# Altium PCB GSMRelay.PcbDoc
Units mm, origin at the board's own origin, x right, y up, seen from the top; angles counter-clockwise.
Board outline 69.98 x 49.7 mm, 2 copper layers (Top Layer, Bottom Layer); 114 components, 63 nets, 318 pads, 163 vias.
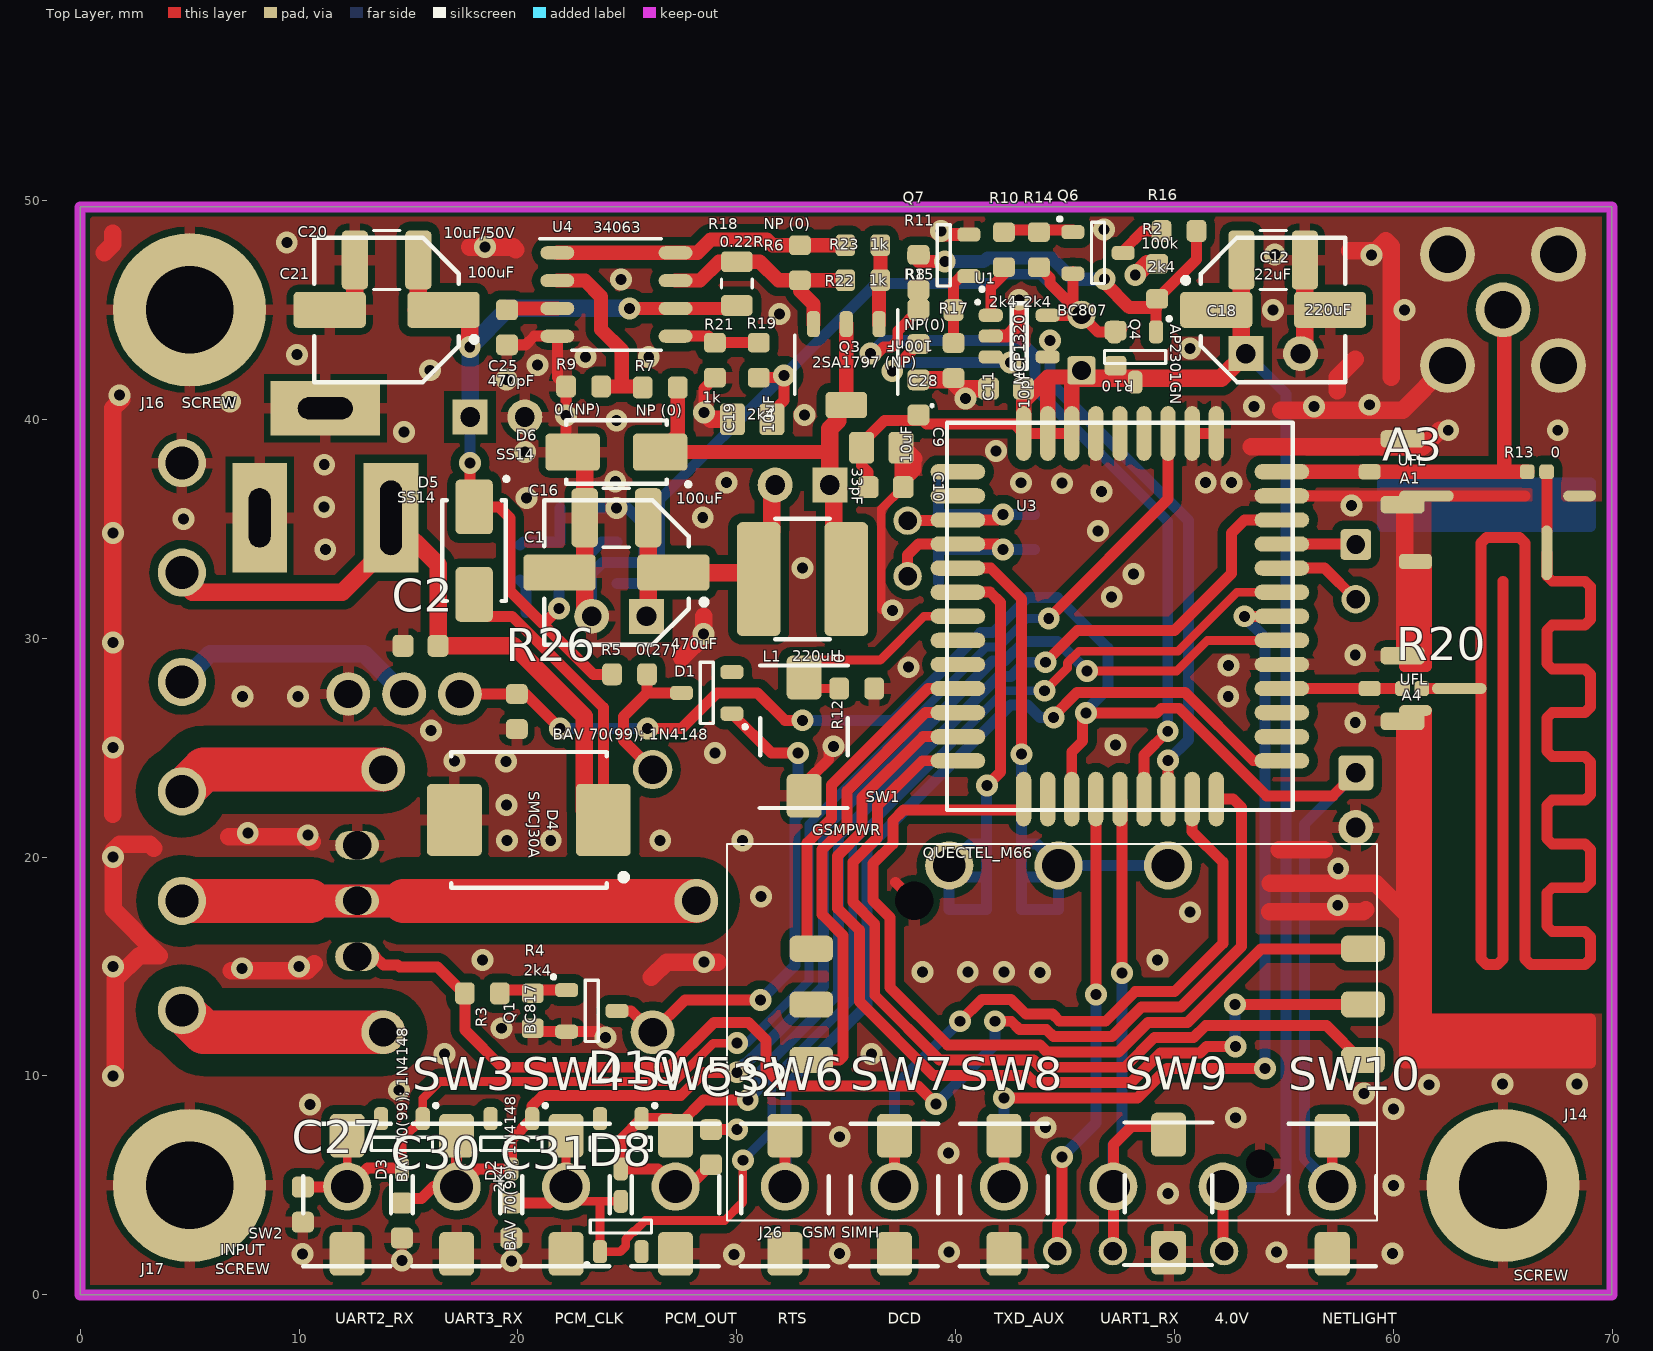
[diagram p0: Top Layer view]
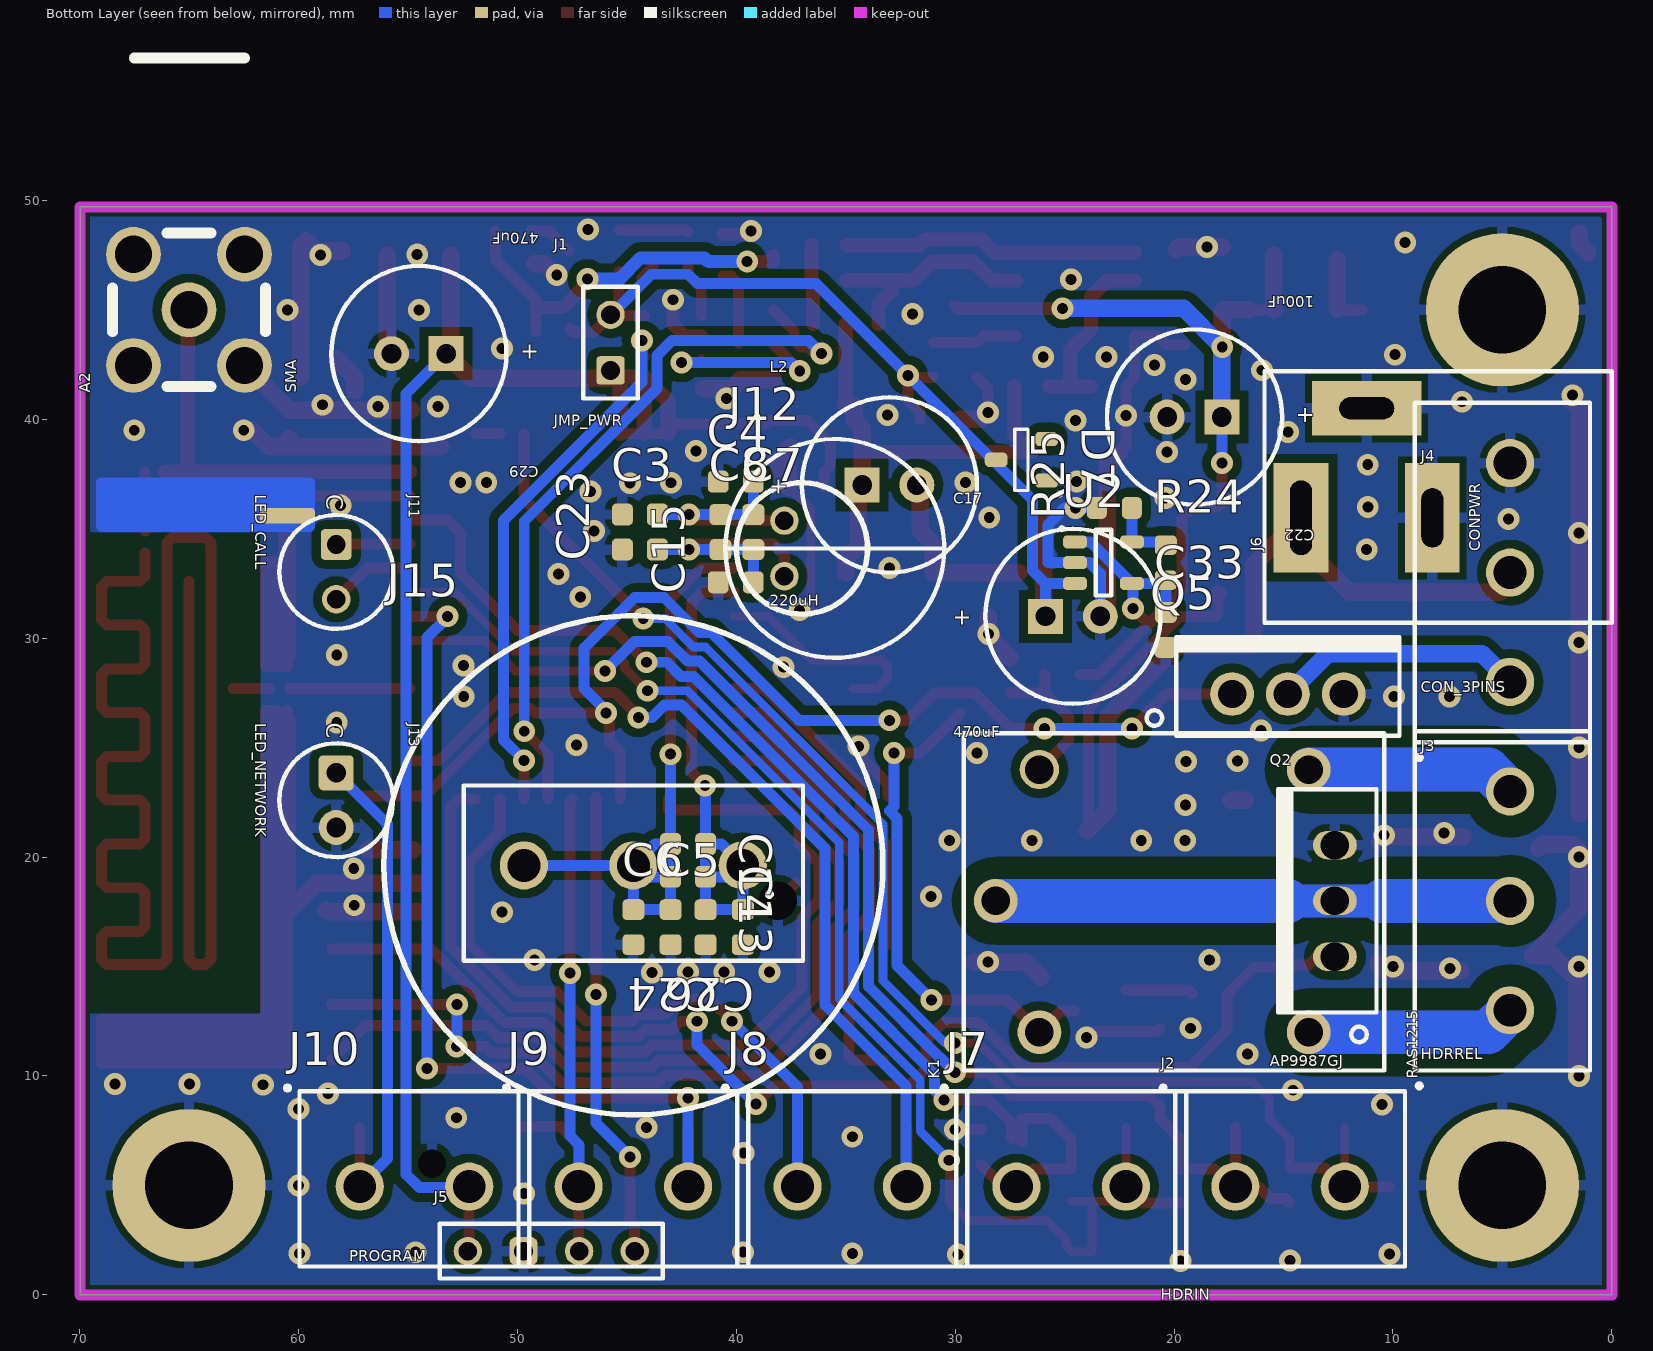
[diagram p1: Bottom Layer view, seen from below]
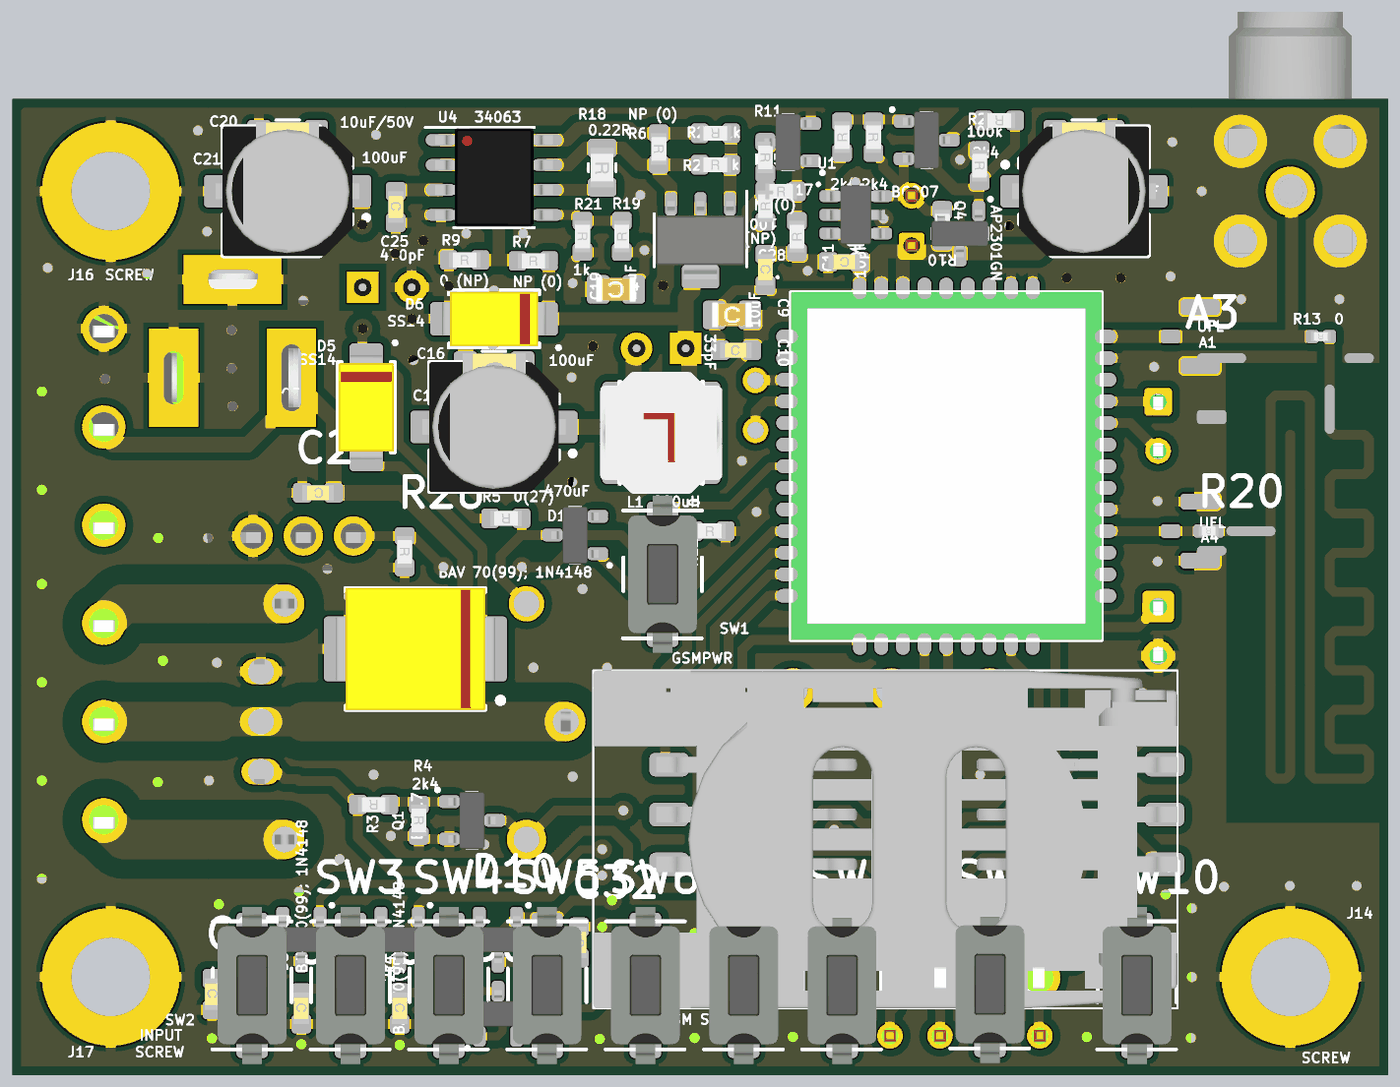
[diagram p2: 3D render of the assembled board from above, using the file's embedded part models]
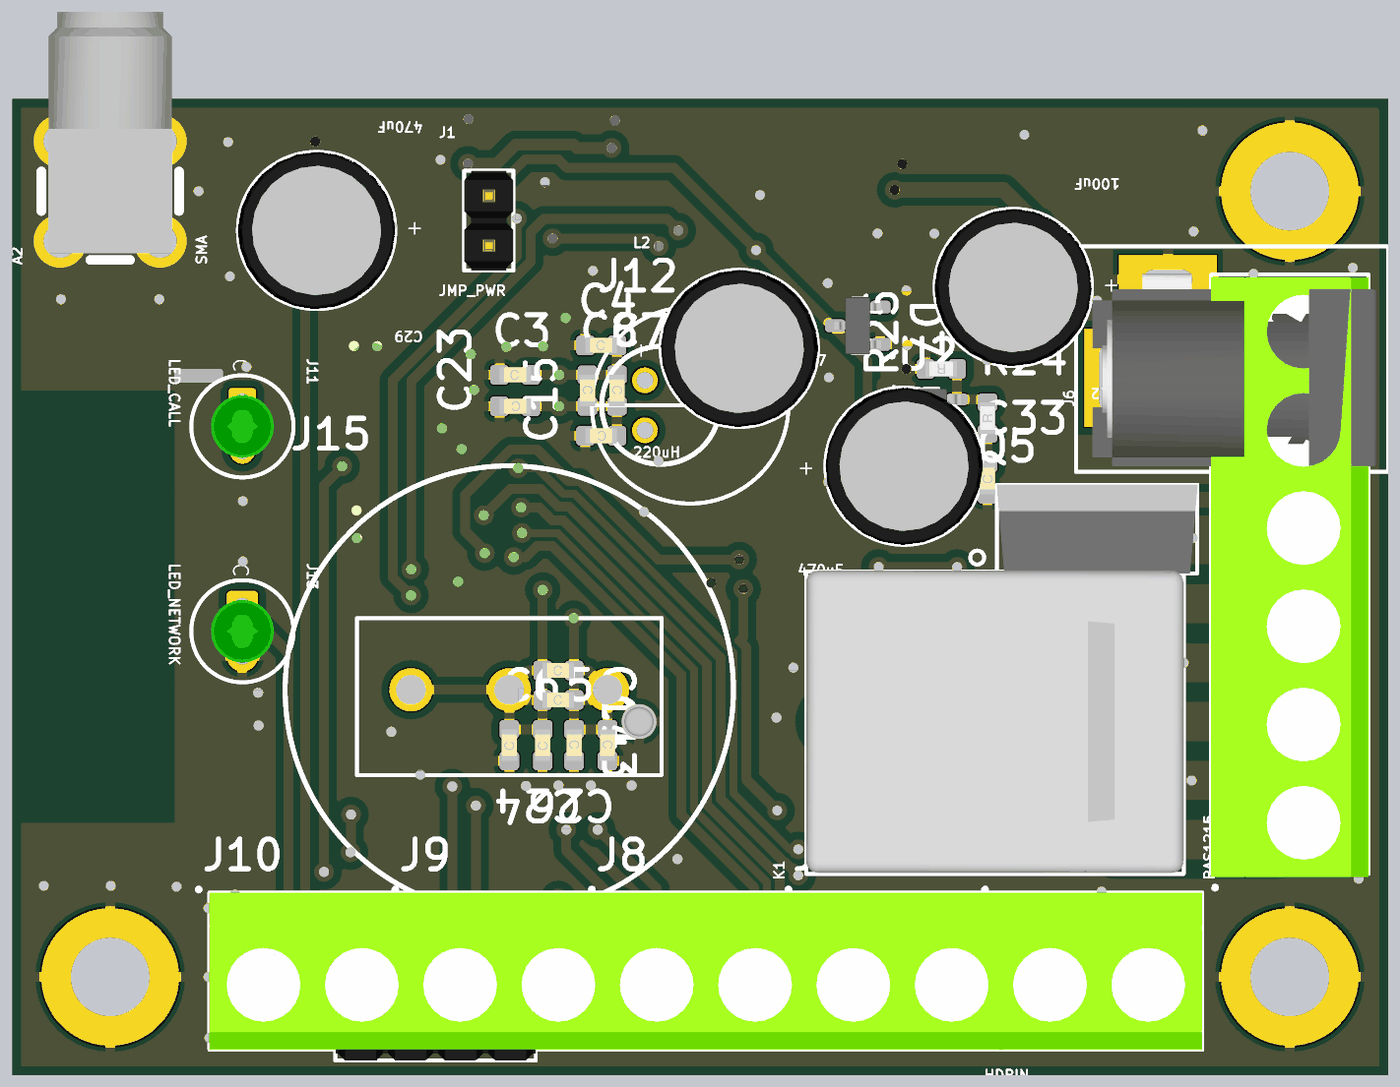
[diagram p3: 3D render of the assembled board from below, using the file's embedded part models]

## Layer stack, top to bottom
Top Solder: solder mask 0.0102, Solder Resist, Dk 3.5
Top Layer: signal copper 0.0356
Dielectric 1: dielectric 0.32, FR-4, Dk 4.8
Bottom Layer: signal copper 0.0356
Bottom Solder: solder mask 0.0102, Solder Resist, Dk 3.5

## Board outline
0,0 0,49.7 69.975,49.7 69.975,0

## Design rules (kind name [scope] priority, off if disabled: settings)
Clearance Clearance_RELAY [All vs InNet('NO') or InNet('NC') or InNet('COMMON')] p1: gap=1
Clearance Clearance_Keepout [All vs OnLayer('Keep-Out Layer')] p2: gap=0.2
Clearance Clearance_Poly [All vs InPolygon] p3: gap=0.4
Clearance [All] p4: gap=0.2
ComponentClearance [All] p1 off: gap=0.254 collisioncheckmode=3 verticalgap=0.254 showdistances=FALSE
Height [All] p1 off: minheight=0 maxheight=25.4 prefheight=12.7
HoleSize [All] p1: absolutevalues=TRUE maxlimit=5 minlimit=0.025 maxpercent=80.000 minpercent=20.000
HoleToHoleClearance [All] p1: gap=0.25 allowstackedmicrovias=TRUE
PlaneClearance [All] p1: clearance=0.35
PolygonConnect DirectConnectComponents [InComponent(A1,A2,A3)] p1: connectstyle=Direct reliefconductorwidth=0 reliefentries=4 polygonreliefangle="90 Angle" airgapwidth=0.254
PolygonConnect PolygonConnect_1 [InPadClass('Flooded')] p2: connectstyle=Direct reliefconductorwidth=0.254 reliefentries=4 polygonreliefangle="90 Angle" airgapwidth=0.254
PolygonConnect PolygonConnect_GND [All vs IsVia] p3: connectstyle=Direct reliefconductorwidth=0.254 reliefentries=4 polygonreliefangle="90 Angle" airgapwidth=0.254
PolygonConnect [All] p4: connectstyle=Relief reliefconductorwidth=0.5 reliefentries=4 polygonreliefangle="90 Angle" airgapwidth=0.3
RoomDefinition GSMRelay [InComponentClass('GSMRelay')] p1: confinementstyle=ConfineIn formatcopy=TRUE lockcomponents=FALSE outline 0,0 69.975,0 69.975,49.7 0,49.7
RoutingVias [All] p1: holewidth=0.711 width=1.27 viastyle="Through Hole" minholewidth=0.711 minwidth=1.27 maxholewidth=0.711 maxwidth=1.27
SolderMaskExpansion [All] p1: expansion=0.102
UnpouredPolygon [All] p1: allowunpoured=FALSE
Width [All] p1: maxlimit=5 minlimit=0.2 preferedwidth=0.5
24 further rules are at their usual default settings.

## Classes and differential pairs
pad class Flooded: J3-1 J11-7 J11-8

## Components (designator, comment, footprint, x,y, rotation, side; value= is the part's Value field where it differs from the comment)
A1 "UFL" SMD_CON_ANTENNA_UFL 60.41,37.6 r270 top
A2 "SMA" SMD_CON_ANTENNA_SMA_RIGHT_ANGLE 65,45 r90 bottom
A3 "PCB" SMD_CON_ANTENNA_GSM_WIFI_PCB 66,35.6 r270 top
A4 "UFL" SMD_CON_ANTENNA_UFL 60.41,27.7 r270 top
C1 "470uF" SMD_CAPAE660X550N 24.5,33 r180 top
C2 "470nF" SMD_0603_CAPC1608X95N 15.55,29.65 r180 top
C3 "33pF" SMD_0603_CAPC1608X95N 44.4,35.65 r180 bottom
C4 "10pF" SMD_0603_CAPC1608X95N 40.025,37.15 r180 bottom
C5 "33pF" SMD_0603_CAPC1608X95N 43,16.8 r90 bottom
C6 "10pF" SMD_0603_CAPC1608X95N 44.7,16.8 r90 bottom
C7 "33pF" SMD_0603_CAPC1608X95N 39.22,34.85 r270 bottom
C8 "10pF" SMD_0603_CAPC1608X95N 40.725,34.85 r270 bottom
C9 "10uF" SMD_0805_CAPC2012X95N 36.6,38.7 r0 top
C10 "33pF" SMD_0603_CAPC1608X95N 36.8,36.9 r0 top
C11 "10pF" SMD_0603_CAPC1608X95N 42.3,41.4 r180 top
C12 "22uF" SMD_1210_CAPC3225X279N 54.5,47.275 r0 top
C13 "33pF" SMD_0603_CAPC1608X95N 42.2,19.1 r180 bottom
C14 "10pF" SMD_0603_CAPC1608X95N 42.2,20.6 r180 bottom
C15 "33pF" SMD_0603_CAPC1608X95N 40.025,32.55 r0 bottom
C16 "100uF" SMD_1210_CAPC3225X279N 24.5,35.5 r0 top
C17 "470uF" PTH_CAPPR250-800X800 24.621,31 r180 bottom
C18 "220uF" SMD_CAPAE660X550N 54.5,45 r0 top
C19 "10uF" SMD_0805_CAPC2012X95N 30.7,40 r180 top
C20 "10uF/50V" SMD_1210_CAPC3225X279N 14,47.275 r0 top
C21 "100uF" SMD_CAPAE660X550N 14,45 r180 top
C22 "100uF" PTH_CAPPR250-800X800 19.065,40.1 r0 bottom
C23 "10pF" SMD_0603_CAPC1608X95N 44.4,34.05 r0 bottom
C24 "33pF" SMD_0603_CAPC1608X95N 41.4,16.8 r270 bottom
C25 "470pF" SMD_0603_CAPC1608X95N 19.5,44.2 r270 top
C26 "10pF" SMD_0603_CAPC1608X95N 39.7,16.8 r270 bottom
C27 "33pF" SMD_0603_CAPC1608X95N 10.175,4.125 r270 top
C28 "100nF" SMD_0603_CAPC1608X95N 38.3,41 r270 top
C29 "470uF" PTH_CAPPR250-800X800 54.5,43 r0 bottom
C30 "33pF" SMD_0603_CAPC1608X95N 14.7,3.4 r270 top
C31 "33pF" SMD_0603_CAPC1608X95N 19.7,3.4 r270 top
C32 "33pF" SMD_0603_CAPC1608X95N 28.82,6.75 r90 top
C33 "1uF" SMD_0603_CAPC1608X95N 20.375,30.375 r90 bottom
D1 "BAV 70(99); 1N4148" SMD_SOT23_SOT95P240X120-3N 28.625,27.5 r180 top
D2 "BAV 70(99); 1N4148" SMD_SOT23_SOT95P240X120-3N 19.7,6.9 r270 top
D3 "BAV 70(99); 1N4148" SMD_SOT23_SOT95P240X120-3N 14.7,6.9 r270 top
D4 "SMCJ30A" SMD_DO214AC_SMC 20.5,21.7 r180 top
D5 "SS14" SMD_DO214AC_SMA 18,34 r270 top
D6 "SS14" SMD_DO214AC_SMA 24.5,38.5 r180 top
D7 "4V3" SMD_SOT23_SOT95P240X120-3N 26.975,38.15 r0 bottom
D8 "BAV 70(99); 1N4148" SMD_SOT23_SOT95P240X120-3N 24.7,3.125 r90 top
D10 "BAV 70(99); 1N4148" SMD_SOT23_SOT95P240X120-3N 24.7,6.9 r270 top
J1 "JMP_PWR" PTH_HDRV02W64P254_1X02 45.744,43.5 r270 bottom
J2 "HDRIN" PTH_HDRV02W11060P500_1X02 14.7,5.3 r180 bottom locked
J3 "HDRREL" PTH_HDRV03W11060P500_1X03 5,18 r90 bottom
J4 "CON_3PINS" PTH_HDRV03W11060P500_1X03 5,33 r90 bottom
J5 "PROGRAM" PTH_HDRV04W64P254_1X04 48.45,2 r0 bottom
J6 "CONPWR" PTH_DC-POWER-JACK_210-112 11.2,35.5 r0 bottom
J7 "HDRIN" PTH_HDRV02W11060P500_1X02 24.7,5.3 r180 bottom locked
J8 "HDRIN" PTH_HDRV02W11060P500_1X02 34.7,5.3 r180 bottom locked
J9 "HDRIN" PTH_HDRV02W11060P500_1X02 44.7,5.3 r180 bottom locked
J10 "HDRIN" PTH_HDRV02W11060P500_1X02 54.7,5.3 r180 bottom locked
J11 "LED_CALL" PTH_LED-KINGBRIGHT-L-934SGC#1 58.275,33.028 r270 bottom
J12 "LD-MC-9765" PTH_MIC_9.6MM_6MM 37,34.1 r90 bottom
J13 "LED_NETWORK" PTH_LED-KINGBRIGHT-L-934SGC#2 58.275,22.6 r270 bottom
J14 "SCREW" PTH_MOUNT_HOLE 65,5 r0 top
J15 "SPEAKER" PTH_SPEAKER_MCABS-227-RC 44.7,19.619 r0 bottom locked
J16 "SCREW" PTH_MOUNT_HOLE 5,45 r0 top
J17 "SCREW" PTH_MOUNT_HOLE 5,5 r0 top
J26 "GSM SIMH" SMD_CON-ATTEND_SIM_115B-AAA0-R01 38.1,18 r180 top locked
K1 "RAS1215" PTH_REL_RAS 20,18 r0 bottom locked
L1 "220uH" SMD_INDM600500 33,32.7 r180 top
L2 "220uH" PTH_CAPPR250-800X800 33,37 r180 bottom
Q1 "BC817" SMD_SOT23_SOT95P240X120-3N 23.375,12.975 r0 top
Q2 "AP9987GJ" PTH_TO220AB#1 13,18 r90 bottom
Q3 "2SA1797 (NP)" SMD_SOT89_SOT150P400X130-4N 35,42.5 r270 top
Q4 "AP2301GN" SMD_SOT23_SOT95P240X120-3N 48.2,42.844 r270 top
Q5 "AP9987GJ" PTH_TO220AB#2 14.8,27.8 r180 bottom
Q6 "BC807" SMD_SOT23_SOT95P240X120-3N 46.5,47.6 r0 top
Q7 "BC817(NP)" SMD_SOT23_SOT95P240X120-3N 39.45,47.49 r180 top
R1 "0" SMD_0603_RESC1608X55N 47.303,43.25 r270 top
R2 "100k" SMD_0603_RESC1608X55N 49.2,46.3 r270 top
R3 "2k4" SMD_0603_RESC1608X55N 18.375,13.775 r180 top
R4 "2k4" SMD_0603_RESC1608X55N 20.675,12.975 r270 top
R5 "0(27)" SMD_0603_RESC1608X55N 25.1,28.35 r180 top
R6 "NP (0)" SMD_0603_RESC1608X55N 32.882,47.15 r270 top
R7 "NP (0)" SMD_0603_RESC1608X55N 26.5,41.45 r0 top
R8 "2k4(NP)" SMD_0603_RESC1608X55N 39.1,44.99 r0 top
R9 "0 (NP)" SMD_0603_RESC1608X55N 23,41.5 r0 top
R10 "2k4" SMD_0603_RESC1608X55N 42.2,47.75 r90 top
R11 "NP(0)" SMD_0603_RESC1608X55N 38.3,46.711 r270 top
R12 "0" SMD_0603_RESC1608X55N 35.475,27.7 r0 top
R13 "0" SMD_0402_RESC1005X37N 66.55,37.6 r180 top
R14 "2k4" SMD_0603_RESC1608X55N 43.8,47.75 r270 top
R15 "NP(0)" SMD_0603_RESC1608X55N 38.3,44.24 r90 top
R16 "2k4" SMD_0603_RESC1608X55N 50.2,48.6 r180 top
R17 "2k4(NP)" SMD_0603_RESC1608X55N 39.9,42.686 r90 top
R18 "0.22R" SMD_0805_RESC2012X60N 30,46.2 r270 top
R19 "2k4" SMD_0603_RESC1608X55N 31,42.7 r90 top
R20 "0" SMD_0402_RESC1005X37N 60.85,27.7 r180 top
R21 "1k" SMD_0603_RESC1608X55N 29,42.7 r270 top
R22 "1k" SMD_0603_RESC1608X55N 35.758,46.35 r0 top
R23 "1k" SMD_0603_RESC1608X55N 35.758,47.95 r180 top
R24 "NP (0)" SMD_0603_RESC1608X55N 20.375,33.45 r90 bottom
R25 "NP (2k)" SMD_0603_RESC1608X55N 22.725,35.95 r0 bottom
R26 "2k4" SMD_0603_RESC1608X55N 19.95,26.65 r270 top
SW1 "GSMPWR" SMD_SW_DTSM-3 33.075,25.5 r90 top
SW2 "INPUT" SMD_SW_DTSM-3 12.2,4.575 r90 top
SW3 "INPUT" SMD_SW_DTSM-3 17.2,4.575 r90 top
SW4 "INPUT" SMD_SW_DTSM-3 22.2,4.575 r90 top
SW5 "INPUT" SMD_SW_DTSM-3 27.2,4.575 r90 top
SW6 "INPUT" SMD_SW_DTSM-3 32.2,4.575 r90 top
SW7 "INPUT" SMD_SW_DTSM-3 37.2,4.575 r90 top
SW8 "INPUT" SMD_SW_DTSM-3 42.2,4.575 r90 top
SW9 "INPUT" SMD_SW_DTSM-3 49.725,4.625 r90 top
SW10 "INPUT" SMD_SW_DTSM-3 57.2,4.575 r90 top
U1 "MCP1320" "SMD_SOT26_SOT95P285X140-5N - DLV" 42.9,43.8 r0 top
U2 "MCP73811 450mA" "SMD_SOT26_SOT95P285X140-5N - DLV" 23.225,33.45 r180 bottom
U3 "QUECTEL_M66" SMD_MOD_M66-44N 47.5,31 r0 top locked
U4 "34063" SMD_SOIC127P600X175-8N 24.5,45.7 r0 top

## Footprints (in the part's own frame and the unit in brackets; to place one, negate y for a bottom-side part, rotate by r counter-clockwise, add the part's x,y. Pads: shape width x height; smd on the part's side, far side on the other; paste and mask are expansions set on the pad)
PTH_CAPPR250-800X800 [mm]
  rect 1.6x1.6 / inner round 1.6 / far side rect 1.6x1.6 hole 0.9 mask+0.075: 1(-1.25,0)
  round 1.6 hole 0.9 mask+0.075: 2(1.25,0)
  silkscreen extent -4,-4 4,4, body extent -4,-4 4.01,4, height 8
PTH_DC-POWER-JACK_210-112 [mm]
  rect 2.5x5 hole 1 slot 3.4 at 90 deg mask+0.075: 1(3,0)
  rect 5x2.5 hole 1 slot 2.5 at 0 deg mask+0.075: 2(0,-5)
  rect 2.5x5 hole 1 slot 2.7 at 90 deg mask+0.075: 3(-3,0)
  silkscreen extent -11.2,-6.69 4.67,4.79, body extent -10.66,-5.3 3.84,4.5, height 11
PTH_HDRV02W64P254_1X02 [mm]
  round 1.3 hole 0.85 mask+0.075: 1(-1.27,0)
  rrect25% 1.3x1.3 hole 0.85 mask+0.075: 2(1.27,0)
  silkscreen extent -2.55,-1.25 2.55,1.25, body extent -2.54,-1.25 2.54,1.25, height 8
PTH_HDRV02W11060P500_1X02 [mm]
  round 2.2 hole 1.5 mask+0.075: 1(-2.5,-0.35) 2(2.5,-0.35)
  silkscreen extent -6,-4 5.25,4.35, body extent -5.25,-4 5.25,4, height 11
PTH_HDRV03W11060P500_1X03 [mm]
  round 2.2 hole 1.5 mask+0.075: 1(-5,-0.35) 2(0,-0.35) 3(5,-0.35)
  silkscreen extent -8.65,-4 7.75,4, body extent -7.9,-4 7.6,4, height 11
PTH_HDRV04W64P254_1X04 [mm]
  round 1.3 hole 0.85 mask+0.075: 1(-3.81,0) 2(-1.27,0) 4(3.81,0)
  rrect50% 1.3x1.3 hole 0.85 mask+0.075: 3(1.27,0)
  silkscreen extent -5.1,-1.25 5.1,1.25, body extent -5.08,-1.25 5.08,1.25, height 8
PTH_LED-KINGBRIGHT-L-934SGC#1 [mm]
  rrect25% 1.4x1.4 / inner round 1.4 / far side rrect25% 1.4x1.4 hole 0.85 mask+0.075: 1(-1.25,0)
  round 1.3 hole 0.85 mask+0.075: 2(1.25,0)
  silkscreen extent -2.6,-2.6 2.6,2.6, body extent -1.6,-1.6 1.6,1.6, height 5.9
PTH_LED-KINGBRIGHT-L-934SGC#2 [mm]
  rrect25% 1.6x1.6 / inner round 1.6 / far side rrect25% 1.6x1.6 hole 0.9 mask+0.075: 1(-1.25,0)
  round 1.6 hole 0.9 mask+0.075: 2(1.25,0)
  silkscreen extent -2.6,-2.6 2.6,2.6, body extent -1.6,-1.6 1.6,1.6, height 5.9
PTH_MIC_9.6MM_6MM [mm] "ECM-60PC PMO-6027P-40KDQ(20120820)"
  round 1.3 hole 0.85: 1(-1.27,0.8) 2(1.27,0.8)
  silkscreen extent -5,-6.5 5,3.5, body extent -4.81,-6.34 4.85,3.34, height 6.5